# KiCad board k410t-devboard.kicad_pcb (continued)
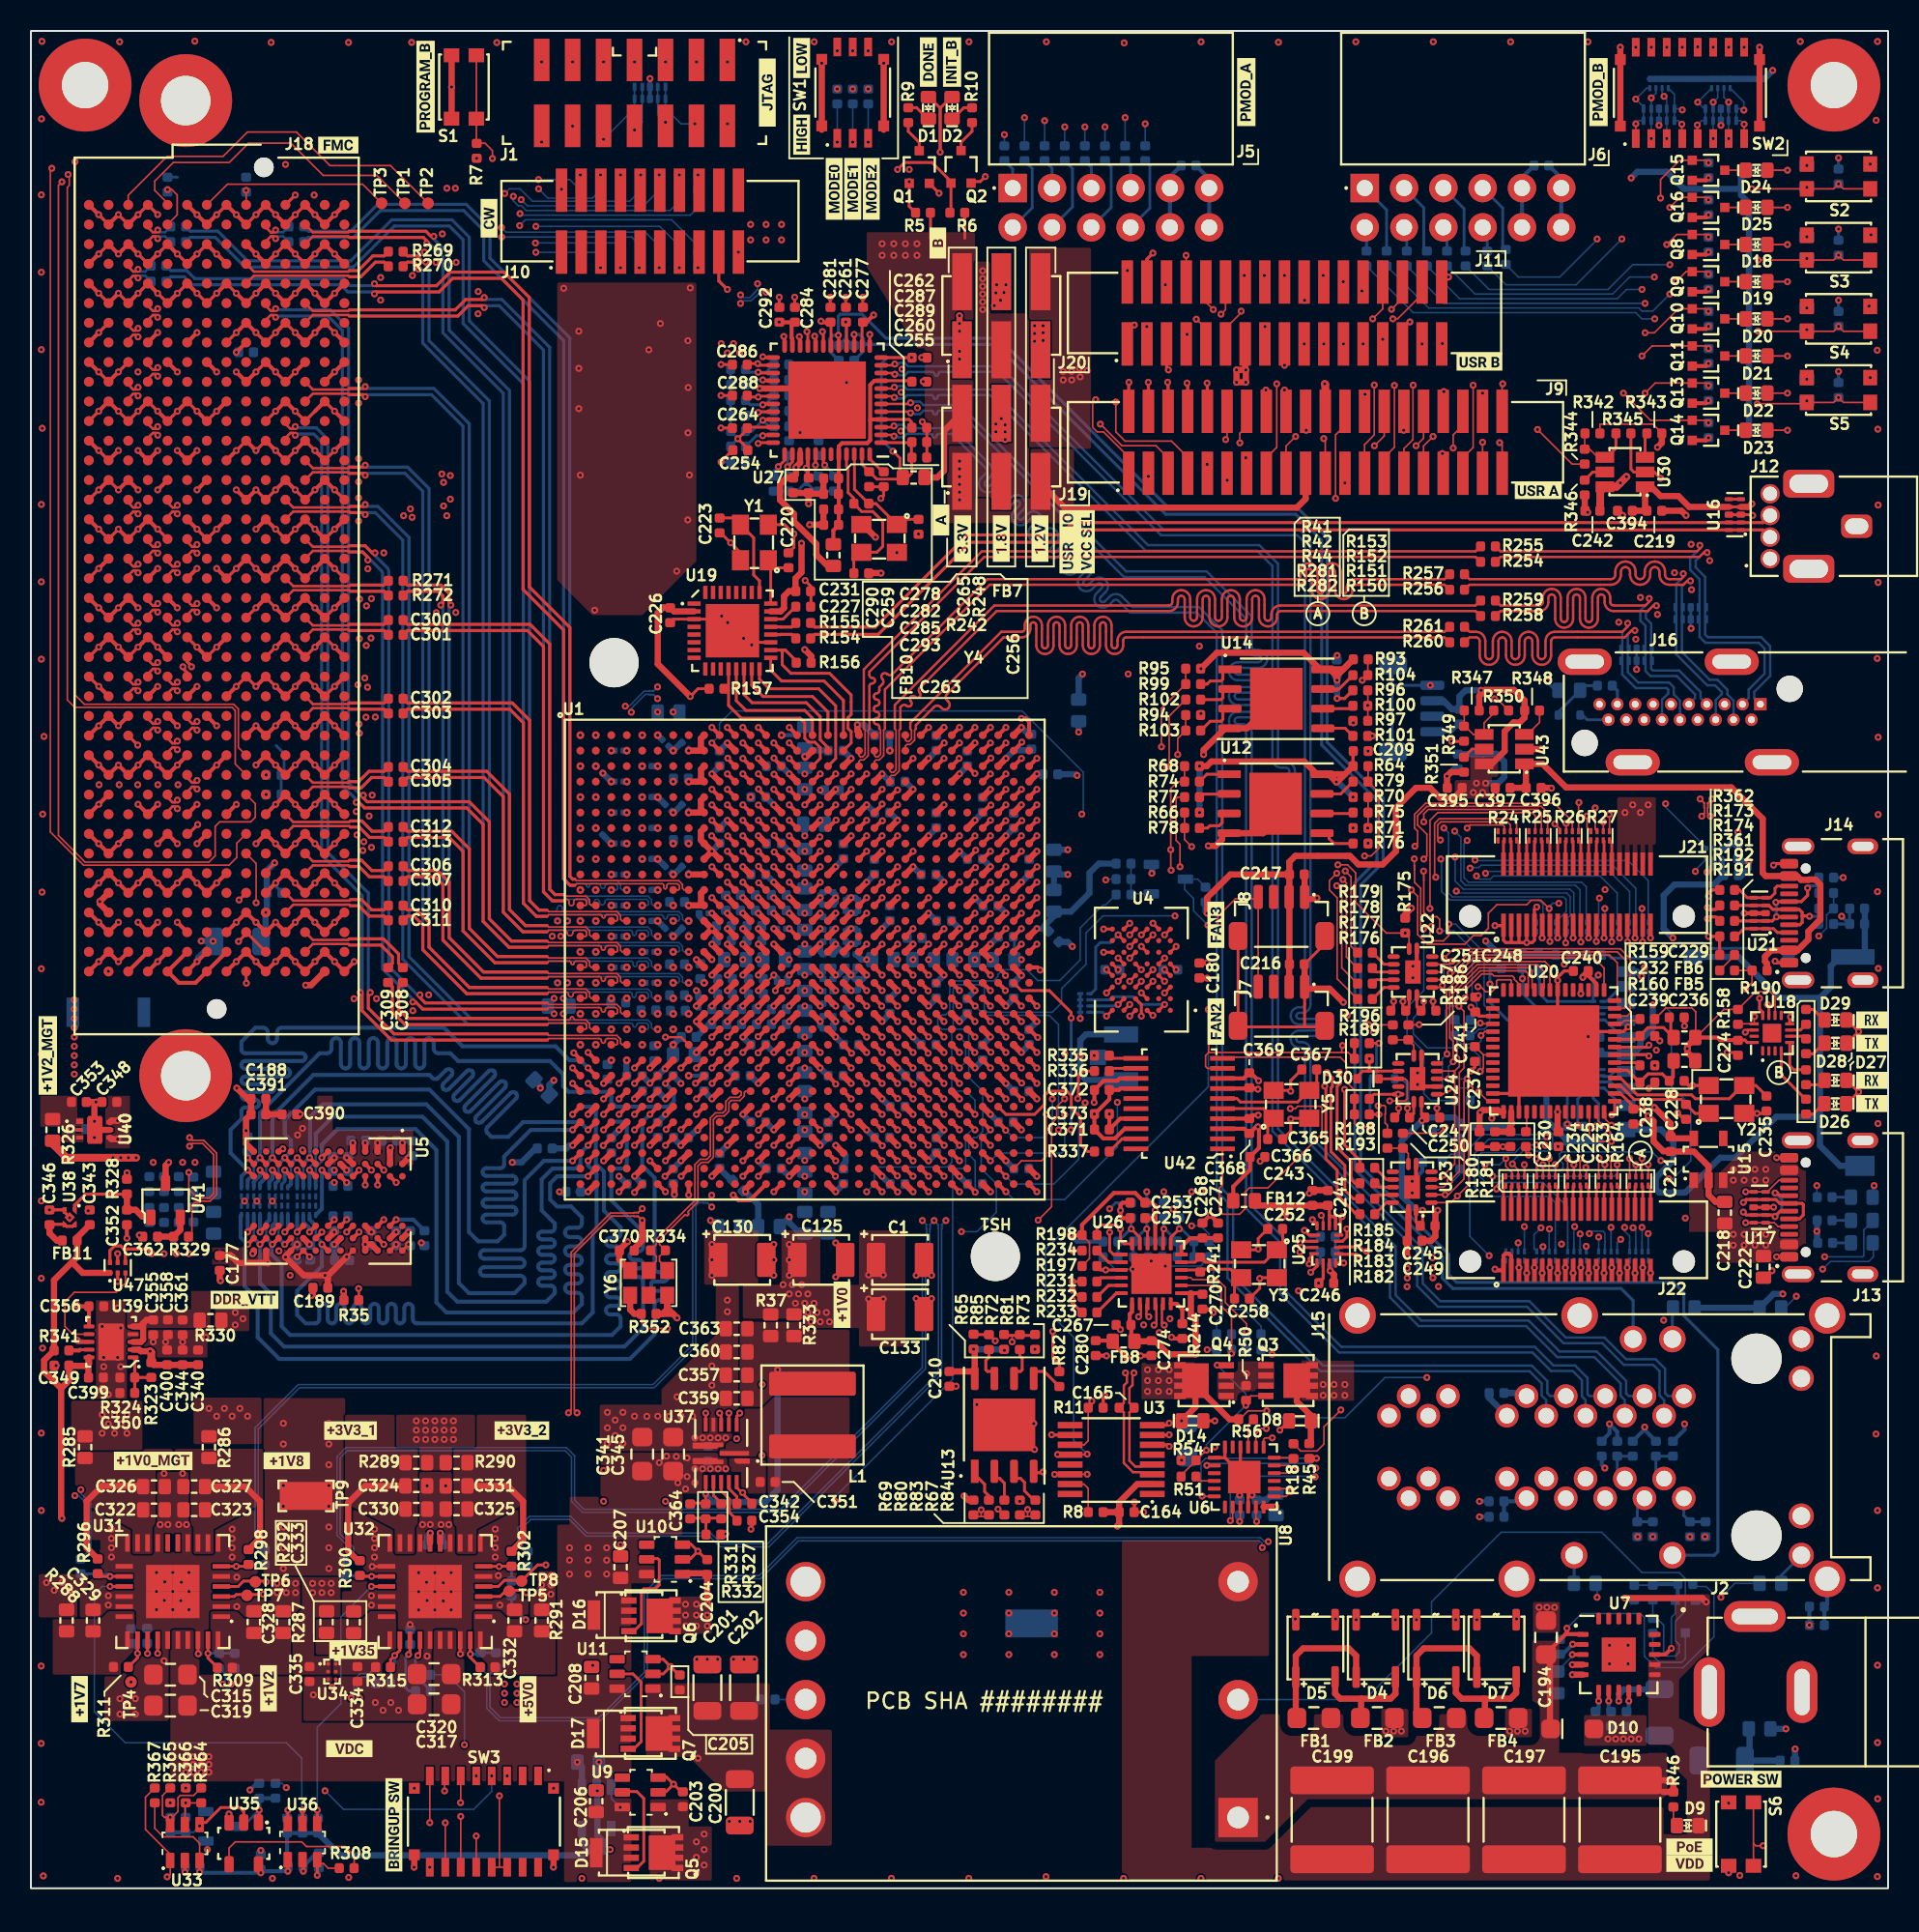
[diagram p0: board, top side]
## Routing (per net, layer and track width the routed paths; a pad name or vN(x,y) marks a point on that pad's centre or on a via; arc(x,y) is an arc through that point) (continued)
/HDMI + Ethernet/GBE3_P: length 108.7
  Top w0.153: 54.88,96.4 55.71,96.4 v1(55.79,96.32)
  Bottom w0.153: v1(55.79,96.32) 55.89,96.43 56.06,96.25 56.4,96.25 56.61,96.47 58.19,96.47 arc(58.28,96.43) 58.32,96.34 58.32,96.34 arc(58.36,96.25) 58.45,96.21 arc(58.54,96.25) 58.57,96.34 58.57,96.34 arc(58.61,96.43) 58.7,96.47 61.98,96.47 72.03,86.42 79.23,86.42 80.22,85.43 80.22,72.98 arc(80.39,72.57) 80.8,72.4 81.09,72.4 arc(81.25,72.34) 81.31,72.18 arc(81.25,72.03) 81.09,71.96 79.81,71.96 arc(79.4,71.79) 79.23,71.38 arc(79.4,70.97) 79.81,70.8 81.09,70.8 arc(81.25,70.74) 81.31,70.58 arc(81.25,70.43) 81.09,70.36 79.81,70.36 arc(79.4,70.19) 79.23,69.78 arc(79.4,69.37) 79.81,69.2 81.09,69.2 arc(81.25,69.14) 81.31,68.98 arc(81.25,68.83) 81.09,68.76 80.8,68.76 arc(80.39,68.59) 80.22,68.18 80.22,48.93 87.82,41.33 87.82,38.18 89.68,36.32 96.63,36.32 98.63,34.32 101.03,34.32 102.72,32.63 102.72,31.82 102.99,31.55 102.99,30.53
/HDMI + Ethernet/GBE4_N: length 108.8
  Top w0.153: 54.88,98.4 55.74,98.4 v1(55.81,98.48)
  Bottom w0.153: 106.8,31.8 105.79,31.8 105.6,31.99 105.6,33.56 104.97,34.18 103.07,34.18 101.67,35.58 99.17,35.58 96.82,37.93 91.07,37.93 89.93,39.07 89.93,41.32 82.68,48.57 82.68,54.12 arc(82.52,54.51) 82.13,54.67 81.95,54.67 arc(81.82,54.72) 81.77,54.85 81.77,54.87 arc(81.82,55) 81.95,55.06 82.5,55.06 82.5,55.06 83.05,55.06 arc(83.44,55.22) 83.6,55.61 83.6,55.63 arc(83.44,56.01) 83.05,56.18 81.95,56.18 arc(81.82,56.23) 81.77,56.36 81.77,56.38 arc(81.82,56.51) 81.95,56.56 82.13,56.56 arc(82.52,56.72) 82.68,57.11 82.68,87.07 81.97,87.78 73.17,87.78 62.62,98.33 56.68,98.33 56.46,98.55 56.12,98.55 55.93,98.36 v1(55.81,98.48)
/HDMI + Ethernet/GBE4_P: length 108.8
  Top w0.153: 54.88,97.9 55.74,97.9 v1(55.81,97.82)
  Bottom w0.153: 105.53,30.53 105.53,31.55 105.24,31.84 105.24,33.41 104.83,33.82 102.93,33.82 101.53,35.22 99.03,35.22 96.68,37.57 90.93,37.57 89.57,38.93 89.57,41.18 82.32,48.43 82.32,54.12 arc(82.26,54.25) 82.13,54.31 81.95,54.31 arc(81.56,54.47) 81.4,54.85 81.4,54.87 arc(81.56,55.26) 81.95,55.42 82.5,55.42 82.5,55.43 83.05,55.43 arc(83.18,55.48) 83.23,55.61 83.23,55.63 arc(83.18,55.76) 83.05,55.81 81.95,55.81 arc(81.56,55.97) 81.4,56.36 81.4,56.38 arc(81.56,56.76) 81.95,56.93 82.13,56.93 arc(82.26,56.98) 82.32,57.11 82.32,86.93 81.83,87.42 73.03,87.42 62.48,97.97 58.76,97.97 arc(58.67,97.93) 58.63,97.84 58.63,97.84 arc(58.6,97.75) 58.51,97.71 arc(58.42,97.75) 58.38,97.84 58.38,97.84 arc(58.34,97.93) 58.26,97.97 56.68,97.97 56.46,97.75 56.12,97.75 55.93,97.94 v1(55.81,97.82)
/HDMI + Ethernet/GBE_AVDDH: length 20.5
  Top w0.165: 54.66,91.04 56.04,91.04
  Top w0.177: v1(55.7,92.85) 56.15,92.4 56.15,91.15 56.04,91.04 ; 54.15,91.55 54.66,91.04
  Top w0.182: 54.15,91.55 53.7,92 U27.47 ; 56.15,91.15 56.64,91.15 56.91,91.42 56.91,92.45 56.89,92.47 56.89,93.45 56.84,93.4 54.88,93.4 ; 54.88,98.9 v1(56.9,98.9)
  Bottom w0.177: v1(55.7,92.85) 54.95,93.6 54.95,98.5 55.35,98.9 v1(56.9,98.9)
/HDMI + Ethernet/GBE_AVDDL/PLL: length 18.2
  Top w0.177: 56.89,94.38 56.89,94.75
  Top w0.182: 54.88,97.4 56.84,97.4 56.89,97.35 ; 56.89,94.75 56.74,94.9 54.88,94.9
  Top w0.256: 51.85,87.02 51.85,87.73 52.2,88.08 52.2,92.72 ; 54.23,94.86 54.27,94.9 U27.4 ; 54.23,94.86 54.23,97.13 54.5,97.4 U27.9 ; 54.23,94.86 54.23,93.56 54.04,93.37 52.41,93.37 52.2,93.16 U27.44
/HDMI + Ethernet/GBE_CONN_COMM: length 1.5
  Bottom w0.4: 95.2,32 96.44,32 96.64,31.8
/HDMI + Ethernet/GBE_ISET: length 1.6
  Top w0.182: U27.48 54.2,92.35 55.03,91.52 55.1,91.52 ; 55.09,91.53 55.06,91.53
/HDMI + Ethernet/GBE_LED_LINK+: length 1.8
  Bottom w0.182: 99.7,19.7 99.71,19.71 99.71,21.51
/HDMI + Ethernet/GBE_LED_LINK-: length 131.3
  Top w0.198: 52.2,99.58 52.2,100.31 v1(52.17,100.34)
  Bottom w0.198: 52.2,97.78 52.2,98.72 51.6,99.31 51.6,100.1 51.84,100.34 v1(52.17,100.34) 52.17,101.57 52.3,101.7 53.7,101.7 55.25,100.15 62.54,100.15 73.52,89.17 81.85,89.17 83.75,87.28 83.75,74.05 87.38,70.42 87.38,66.28 85.93,64.83 85.93,46.65 91.62,40.96 91.62,39.66 92.12,39.15 106.13,39.15 106.8,38.48 106.8,37 109,34.8 109,21.75 108.76,21.51 106.06,21.51
/HDMI + Ethernet/GBE_LED_SPD+: length 2
  Bottom w0.182: J15.18_2 106.06,37.46 R263.1
/HDMI + Ethernet/GBE_LED_SPD-: length 106.8
  Top w0.198: v1(53.19,100.39) 53.2,100.38 53.2,99.58
  Bottom w0.198: v1(53.19,100.39) 53.52,100.39 53.8,100.11 53.8,99.9 ; 53.2,97.78 53.2,98.72 53.8,99.31 53.8,99.6 ; 53.9,99.8 53.8,99.7 53.8,99.6 ; 53.9,99.8 53.8,99.9 ; 53.9,99.8 53.95,99.75 62.35,99.75 73.32,88.78 81.72,88.78 83.4,87.1 83.4,73.88 86.97,70.3 86.97,66.4 85.55,64.97 85.55,46.45 91.2,40.8 91.2,39.43 91.88,38.75 102.75,38.75 103.52,37.98 J15.17_2 ; 53.8,99.9 53.8,99.6
/HDMI + Ethernet/GBE_XI: length 7.5
  Top w0.182: 53.21,92.71 53.21,90.39 54.14,89.46 54.6,89.46 Y4.1 56.29,88.45 57.35,88.45
/HDMI + Ethernet/GBE_XO: length 10.5
  Top w0.177: 53.16,89.47 53.16,89.82 52.8,90.18 52.8,91.78 52.7,91.88 52.7,92.72 ; 53.64,86.33 53.17,85.85 53.17,85.67
  Top w0.182: 53.64,86.33 54.66,86.33 55.04,86.7 55.04,88.31 54.4,88.95 53.68,88.95 53.17,89.46 ; 53.17,85.67 53.17,84.96
/HDMI + Ethernet/HDMI_5V: length 3.5
  Bottom w0.182: 101.2,77.7 100.4,77.7 FB9.2 98.55,75.85 98.55,75.8
/HDMI + Ethernet/HDMI_CONN_5V: length 1.8
  Bottom w0.182: J16.18 100.55,75.5 100.25,75.8
/HDMI + Ethernet/HDMI_CONN_CLK_N: length 28.4
  Top w0.153: v1(103.17,81.73) 103.17,81.52 102.83,81.18 98.47,81.18 arc(98.04,81) 97.86,80.58 97.86,79.65 arc(97.79,79.48) 97.62,79.41 arc(97.45,79.48) 97.38,79.65 97.38,80.58 arc(97.2,81) 96.77,81.18 arc(96.34,81) 96.16,80.58 96.16,79.65 arc(96.09,79.48) 95.92,79.41 arc(95.75,79.48) 95.68,79.65 95.68,80.58 arc(95.5,81) 95.07,81.18 arc(94.64,81) 94.46,80.58 94.46,79.65 arc(94.39,79.48) 94.22,79.41 arc(94.05,79.48) 93.97,79.65 93.97,80.58 arc(93.8,81) 93.37,81.18 92.95,81.18 92.63,81.5
  Bottom w0.153: 105.4,75.5 105.4,76.8 105.79,77.19 105.79,77.45 105.7,77.54 103.7,77.54 102.83,78.42 102.83,81.17 103.17,81.52 v1(103.17,81.73)
/HDMI + Ethernet/HDMI_CONN_CLK_P: length 28.4
  Top w0.153: v1(103.64,81.27) 103.43,81.27 102.98,80.82 98.47,80.82 arc(98.3,80.75) 98.22,80.58 98.22,79.65 arc(98.05,79.22) 97.62,79.05 arc(97.19,79.22) 97.01,79.65 97.01,80.58 arc(96.94,80.75) 96.77,80.82 arc(96.6,80.75) 96.53,80.58 96.53,79.65 arc(96.35,79.22) 95.92,79.05 arc(95.49,79.22) 95.31,79.65 95.31,80.58 arc(95.24,80.75) 95.07,80.82 arc(94.9,80.75) 94.82,80.58 94.82,79.65 arc(94.65,79.22) 94.22,79.05 arc(93.79,79.22) 93.61,79.65 93.61,80.58 arc(93.54,80.75) 93.37,80.82 92.95,80.82 92.63,80.5
  Bottom w0.153: J16.10 106.55,76.26 106.55,76.26 106.55,76.74 106.16,77.13 106.16,77.6 105.85,77.91 103.85,77.91 103.19,78.57 103.19,81.03 103.43,81.27 v1(103.64,81.27)
/HDMI + Ethernet/HDMI_CONN_D0_N: length 28.8
  Top w0.153: 94.63,83.2 94.95,82.88 97.47,82.88 arc(97.62,82.94) 97.69,83.1 97.69,83.38 arc(97.86,83.79) 98.27,83.96 arc(98.68,83.79) 98.85,83.38 98.85,82.02 arc(98.91,81.87) 99.07,81.81 arc(99.22,81.87) 99.29,82.02 99.29,83.38 arc(99.46,83.79) 99.87,83.96 arc(100.28,83.79) 100.45,83.38 100.45,82.02 arc(100.51,81.87) 100.67,81.81 arc(100.82,81.87) 100.89,82.02 100.89,83.38 arc(101.06,83.79) 101.47,83.96 arc(101.88,83.79) 102.05,83.38 102.05,83.1 arc(102.11,82.94) 102.27,82.88 104.33,82.88 104.57,83.12 v1(104.57,83.33)
  Bottom w0.153: v1(104.57,83.33) 104.57,83.12 103.99,82.55 103.99,81.9 104.33,81.57 104.33,78.64 104.65,78.32 106.35,78.32 107.53,77.14 107.53,76.9 107.13,76.5
/HDMI + Ethernet/HDMI_CONN_D0_P: length 28.8
  Top w0.153: 94.63,82.2 94.95,82.52 97.47,82.52 arc(97.88,82.69) 98.05,83.1 98.05,83.38 arc(98.11,83.53) 98.27,83.59 arc(98.42,83.53) 98.49,83.38 98.49,82.02 arc(98.66,81.61) 99.07,81.44 arc(99.48,81.61) 99.65,82.02 99.65,83.38 arc(99.71,83.53) 99.87,83.59 arc(100.02,83.53) 100.09,83.38 100.09,82.02 arc(100.26,81.61) 100.67,81.44 arc(101.08,81.61) 101.25,82.02 101.25,83.38 arc(101.31,83.53) 101.47,83.59 arc(101.62,83.53) 101.69,83.38 101.69,83.1 arc(101.86,82.69) 102.27,82.52 104.47,82.52 104.82,82.87 v1(105.03,82.87)
  Bottom w0.153: v1(105.03,82.87) 104.82,82.87 104.36,82.4 104.36,82.05 104.69,81.71 104.69,78.79 104.8,78.68 106.5,78.68 107.89,77.29 107.89,76.9 J16.7
/HDMI + Ethernet/HDMI_CONN_D1_N: length 28.8
  Top w0.153: v1(106.77,84.93) 106.77,84.72 106.63,84.58 105.88,84.58 arc(105.67,84.67) 105.59,84.88 105.59,85.07 arc(105.39,85.53) 104.93,85.72 arc(104.47,85.53) 104.28,85.07 104.28,84.88 arc(104.19,84.67) 103.98,84.58 arc(103.77,84.67) 103.69,84.88 103.69,85.07 arc(103.49,85.53) 103.03,85.72 arc(102.57,85.53) 102.38,85.07 102.38,84.88 arc(102.29,84.67) 102.08,84.58 92.95,84.58 92.63,84.9
  Bottom w0.153: v1(106.77,84.93) 106.77,84.72 106.32,84.27 106.32,79.73 108.33,77.72 108.83,77.72 109.26,77.29 109.26,77.16 108.86,76.76 J16.6
/HDMI + Ethernet/HDMI_CONN_D1_P: length 28.8
  Top w0.153: 92.63,83.9 92.95,84.22 102.08,84.22 arc(102.54,84.41) 102.74,84.88 102.74,85.07 arc(102.82,85.27) 103.03,85.36 arc(103.24,85.27) 103.32,85.07 103.32,84.88 arc(103.52,84.41) 103.98,84.22 arc(104.44,84.41) 104.64,84.88 104.64,85.07 arc(104.72,85.27) 104.93,85.36 arc(105.14,85.27) 105.22,85.07 105.22,84.88 arc(105.42,84.41) 105.88,84.22 106.77,84.22 107.02,84.47 v1(107.23,84.47)
  Bottom w0.153: v1(107.23,84.47) 107.02,84.47 106.68,84.13 106.68,79.87 108.47,78.08 108.97,78.08 109.62,77.43 109.62,77.13 110.02,76.74 110.02,76.26 110.02,76.26 110.02,75.5
/HDMI + Ethernet/HDMI_CONN_D2_N: length 28.7
  Top w0.153: 94.63,86.7 94.95,86.38 107.66,86.38 107.84,86.56 v1(107.84,86.77)
  Bottom w0.153: 110.6,76.5 110.99,76.9 110.99,77.45 112.02,78.47 112.02,80.1 111.65,80.47 108.21,80.47 107.82,80.86 107.82,84.58 107.21,85.18 107.21,85.93 107.84,86.56 v1(107.84,86.77)
/HDMI + Ethernet/HDMI_CONN_D2_P: length 28.7
  Top w0.153: v1(108.31,86.3) 108.09,86.3 107.81,86.02 94.95,86.02 94.63,85.7
  Bottom w0.153: v1(108.31,86.3) 108.09,86.3 107.57,85.78 107.57,85.33 108.18,84.72 108.18,81.01 108.36,80.83 111.8,80.83 112.38,80.25 112.38,78.33 111.35,77.3 111.35,76.9 J16.1
/HDMI + Ethernet/POE_ETH.VC1: length 9.9
  In2.Cu w0.4: J15.14_1 87.75,23.75 89.53,21.97 v1(89.53,17.35)
/HDMI + Ethernet/POE_ETH.VC2: length 8.1
  In2.Cu w0.4: v1(92.07,17.35) 91.56,17.86 J15.11_1
/HDMI + Ethernet/POE_ETH.VC3: length 11.5
  Top w0.4: v1(96,17.4) 95.97,17.37 D7.3
  In4.Cu w0.4: J15.12_1 90.29,23.11 v1(96,17.4)
/HDMI + Ethernet/POE_ETH.VC4: length 9.7
  In4.Cu w0.4: v1(93.43,17.35) 93.43,17.92 89.02,22.33 89.02,25.2
/HDMI + Ethernet/POE_GBE.VC1: length 16.9
  In4.Cu w0.4: J15.14_2 85.53,30.53 83.75,28.75 83.75,19.23 v1(85.63,17.35)
/HDMI + Ethernet/POE_GBE.VC2: length 21.5
  In4.Cu w0.4: v1(88.17,17.35) 88.17,20.83 85.75,23.25 85.75,27.75 86.5,28.5 91.75,28.5 92.25,29 92.25,31.11 91.56,31.8
/HDMI + Ethernet/POE_GBE.VC3: length 17.8
  In2.Cu w0.4: v1(84.3,17.4) 84,17.7 84,27.5 85.25,28.75 88.51,28.75 J15.12_2
/HDMI + Ethernet/POE_GBE.VC4: length 19.3
  Top w0.4: v1(81.7,17.4) 81.73,17.37 D5.4
  In2.Cu w0.4: v1(81.7,17.4) 82.25,17.95 82.25,28.1 84.07,29.92 84.92,29.92 86.8,31.8 89.02,31.8
/I2C.QDCDC1_SCL: length 32
  Top w0.182: U31.4 13.39,19.5 13.74,19.85 15.15,19.85 v1(15.2,19.8)
  In3.Cu w0.1: v1(15.2,19.8) 14.6,19.2 14.6,9.7 18,6.3 v1(19,6.3)
  Bottom w0.1: v1(29.77,7.26) 29.77,6.26 28.61,5.1 20.2,5.1 v1(19,6.3)
/I2C.QDCDC2_SCL: length 21.3
  Top w0.182: U32.4 30.2,19.5 30.6,19.9 31.65,19.9 TP8.1 32.74,20.89 v1(33.27,20.89)
  In3.Cu w0.1: v1(33.27,20.89) 33.71,20.89 34.18,20.43 34.18,17.5 34.99,16.68 34.99,10.89 31.36,7.26 v1(30.77,7.26)
/I2C.SCL: length 141.4
  Top w0.1: 30.27,1.36 v1(30.27,5.97) ; 30.27,1.36 SW3.14 ; 30.27,1.36 SW3.13 ; 85.51,50 85.51,49.44 85.75,49.2 v1(86.5,49.2) ; v1(66.15,26.74) 66.16,26.75 68.25,26.75 v1(68.25,26.75) ; 96.5,46.53 v1(96.5,46.75) ; v1(80.21,29.1) 79.75,29.1 79.65,29 79.65,28.5 ; 77,53.62 77.07,53.7 84.6,53.7 85,53.3 85,52.1 85.51,51.59 85.51,51
  Top w0.177: 85.51,51 85.51,50 ; U37.3 45.6,30.5 v1(45.8,30.7)
  In3.Cu w0.1: v1(30.27,5.97) 30.27,7.59 30.57,7.89 31.36,7.89 34.6,11.13 34.6,16.55 32.47,18.68 32.47,21.35 34.12,23 36.75,23 39.97,26.22 39.97,27.72 41.78,29.53 45.18,29.53 45.8,30.15 v1(45.8,30.7) 57.32,30.7 61.67,26.35 65.76,26.35 v1(66.15,26.74) ; v1(96.5,46.75) 96.47,46.78 96.47,47.12 94.85,48.75 90.77,48.75 90.52,49 86.7,49 v1(86.5,49.2) ; v1(68.25,26.75) 78.6,26.75 80.21,28.36 v1(80.21,29.1)
  In5.Cu w0.1: v1(80.21,29.1) 79.59,29.1 79.39,29.3 79.39,37.12 81.39,39.12 81.39,42.85 83.11,44.57 83.11,45.52 85.75,48.16 93.98,48.16 94.33,48.51 95.38,48.51 96.18,47.71 96.18,47.07 v1(96.5,46.75)
/I2C.SDA: length 176.7
  Top w0.1: 77,52.97 76.03,52.97 75.9,53.1 75.9,53.8 76.1,54 ; v1(68.25,28.05) 68.22,28.02 67.15,28.02 67.13,28.03 v1(66.34,28.03) ; v1(79.82,29.7) 79.5,29.7 79.15,29.35 79.15,28.5 ; 76.1,54 84.7,54 ; 76.1,54 76.1,56.75 v1(76.07,56.78) ; v1(84.75,54.45) 84.7,54.4 84.7,54 ; 84.7,54 85.12,54 85.51,53.6
  Top w0.177: 85.51,53.6 85.51,54.6 ; v1(45.1,30.7) 45.1,29.95
  Top w0.182: v1(15,19) 14.98,18.98 13.26,18.98 13.14,18.85 12.3,18.85 ; v1(32,19.1) 31.85,19.25 30.71,19.25 30.31,18.85 29.25,18.85
  In3.Cu w0.1: v1(66.34,28.03) 65.66,28.03 64.61,26.98 61.74,26.98 57.53,31.19 45.45,31.19 45.1,30.84 v1(45.1,30.7) 45.1,30.25 44.78,29.93 41.6,29.93 39.55,27.88 39.55,26.45 36.47,23.38 34.03,23.38 32.01,21.36 32.01,19.11 v1(32,19.1) 32,18.7 34.2,16.5 34.2,11.37 32.62,9.79 18.52,9.79 15,13.31 v1(15,19) ; v1(68.25,28.05) 73.9,28.05 75.55,29.7 v1(79.82,29.7)
  In5.Cu w0.1: v1(104.1,63.3) 102.75,61.95 95.3,61.95 94.1,60.75 89.16,60.75 85.69,57.28 85.69,56.29 84.75,55.35 v1(84.75,54.45)
  Bottom w0.1: v1(76.07,56.78) 76.07,51.78 65.55,41.26 65.55,37.43 67.37,35.61 67.37,28.93 v1(68.25,28.05) ; 104.1,62.93 v1(104.1,63.3)
/PLL.CLK0: length 0
  Top w0.201: 68.72,53.8 v1(68.7,53.8)
/PLL.CLK1: length 10.5
  Top w0.184: 68.72,47.6 68.29,47.6 67.83,48.06 67.83,49.82 67.22,50.43 67.22,51.21 66.93,51.5 65.78,51.5 65.5,51.22 65.5,50.65 64.85,50 63,50 U1.AE28
/PLL.CLK2: length 9.8
  Top w0.184: 68.72,52.8 67.94,52.8 67.68,52.54 67.68,51.06 v1(67.64,51.02)
  Top w0.256: U1.AB27 v1(62,53)
  In7.Cu w0.1: v1(67.64,51.02) 66.07,52.59 62.41,52.59 v1(62,53)
/Power supply/AMPS_CTL: length 4
  Top w0.256: U7.8 v1(102.6,12.1)
  Bottom w0.4: v1(102.6,12.1) 102.6,12.53 102.92,12.85 104.91,12.85 105.23,13.17
/Power supply/CLSA: length 2.2
  Top w0.256: 100.28,15.1 v1(99.6,15.1)
  Bottom w0.1: R52.2 99.6,15 v1(99.6,15.1)
/Power supply/CLSB: length 1.4
  Top w0.256: U7.6 v1(101.3,12.1)
  Bottom w0.256: v1(101.3,12.1) 101.3,11.7 101.1,11.5
/Power supply/DC_IN: length 4
  Bottom w0.4: 111,10.3 111.05,10.25 111.05,8.25 113.01,8.25
  vias: v1(43,3) v1(43,2) v1(43,1) v1(43.5,3.5) v1(43.5,2.5) v1(43.5,1.5)
/Power supply/DEN: length 1.8
  Top w0.256: 100.28,15.75 99.64,15.75 v1(99.62,15.77)
  Bottom w0.256: v1(99.62,15.77) 98.97,15.12 98.8,15.12
/Power supply/MPS_DUTY: length 1.4
  Top w0.256: U7.9 v1(103.25,12.1)
  Bottom w0.256: 103.1,11.43 103.25,11.57 v1(103.25,12.1)
/Power supply/PD_CTRL.RESET: length 1.3
  Top w0.1: 80.33,27.82 81.56,27.82 81.6,27.78
/Power supply/PD_PWR_OK2: length 53.8
  Top w0.1: v1(77.5,23.75) 77.65,23.9 77.65,24.64
  In3.Cu w0.1: v1(82.98,26.58) 83.15,26.75 83.78,26.75 86.03,29 91.72,29 95.75,33.03 103.32,33.03 104.7,34.4 104.7,36.8 105.1,37.2 109.62,37.2 111.23,38.8 115.43,38.8 115.77,39.15 v1(115.77,40)
  Bottom w0.1: v1(77.5,23.75) 77.5,26.05 78.07,26.62 82.94,26.62 v1(82.98,26.58) ; v1(115.77,40) 116.27,40.5 118.75,40.5 119.05,40.8 119.05,41.7
/Power supply/PD_PWR_OK3: length 52.6
  Top w0.1: v1(75.98,27.32) 76.47,27.32
  In3.Cu w0.1: v1(115.9,40.8) 115.5,40.8 115.2,40.5 113.2,40.5 113,40.3 112.1,40.3 109.5,37.7 104.1,37.7 99.9,33.5 93.4,33.5 92.9,33 92.9,30.9 91.2,29.2 85.95,29.2 83.9,27.15 v1(83.03,27.15)
  Bottom w0.1: 119.05,43.15 118.44,42.53 118.44,40.88 118.36,40.8 v1(115.9,40.8) ; v1(75.98,27.32) 76.11,27.45 82.72,27.45 v1(83.03,27.15)
/Power supply/PD_VBUS: length 11.2
  Top w0.4: v1(80.45,24.65) 79.66,24.65 79.65,24.64
  In2.Cu w0.4: v1(80.45,24.65) 77.97,27.12 77.97,32.68 v1(78.55,33.25)
  Bottom w0.4: C191.1 v1(80.45,24.65)
/Power supply/PDBUS_DISCH: length 1.9
  Top w0.1: 79,30.3 78.65,29.95 78.65,28.5
/Power supply/PG: length 8.4
  Top w0.256: U7.13 105.6,15.1 v1(106,15.5)
  Bottom w0.1: 103.6,19.59 104.8,19.59 ; v1(106,15.5) 106,17.5 106.25,17.75 106.25,18.48
  Bottom w0.256: 106.25,18.48 106.42,18.64 106.42,19.65 104.87,19.65 104.8,19.59
/Power supply/POE_ACTIVE: length 45.9
  Bottom w0.1: U8.2 86.19,12.19 90.5,16.5 90.5,18.5 95,23 101.5,23 104.1,20.4 106.5,20.4 106.9,20 106.9,17.9 106.25,17.25 106.25,16 106.5,15.75 106.5,15.25 106.25,15 105.75,15 105.5,15.25 105.5,17 105.06,17.44 104.8,17.44 104.8,18.62
/Power supply/REF: length 1.4
  Top w0.256: 101.95,12.78 v1(101.95,12.1)
  Bottom w0.256: 102.1,11.49 101.95,11.63 v1(101.95,12.1)
/Power supply/SINK_EN: length 12
  Top w0.1: 77.24,33.79 77.22,33.8 v1(76.65,33.8) ; 79.8,31.81 78.81,31.81 78.5,31.5 v1(78.5,31.2) ; v1(75.95,28.3) 75.3,27.65 75.28,27.65 74.31,26.68 74.31,26.6
  Bottom w0.1: v1(75.95,28.3) 75.95,28.65 v1(78.5,31.2) 78.5,31.95 v1(76.65,33.8)
/Power supply/USB_DBG_PD.CC1: length 44.7
  Top w0.1: U6.2 81.21,25.82 v1(81.41,25.62) 81.1,25.32 80.33,25.32 ; v1(110.8,43) U17.10 112.65,43 112.9,42.75 J13.A5
  In3.Cu w0.1: v1(81.41,25.62) 82.15,26.37 82.15,28.08 84.4,30.33 85.49,30.33 89.87,34.71 95.36,34.71 99.1,38.45 108.25,38.45 109.2,39.4 109.2,42.55 109.65,43 v1(110.8,43)
/Power supply/USB_DBG_PD.CC2: length 45.9
  Top w0.1: v1(110.8,45) 112.2,45 112.95,45.75 113.61,45.75 ; U6.4 81.36,26.82 v1(81.56,27.02) 81.27,27.32 U6.5
  In3.Cu w0.1: v1(110.8,45) 109.55,45 108.95,44.4 108.95,39.45 108.2,38.7 99.07,38.7 95.28,34.91 89.78,34.91 85.41,30.53 84.24,30.53 81.88,28.16 81.88,27.33 v1(81.56,27.02)
/Power supply/USB_DBG_PD.VBUS: length 4.4
  Top w0.4: 82.7,28.75 82.7,30.55 81.79,31.46 81.79,32.77
  vias: v1(83.5,32.55) v1(83.5,31.85) v1(84.2,32.55) v1(84.2,31.85) v1(84.9,32.55) v1(84.9,31.85) v1(110,46.45) v1(110,45.75) v1(110,42.25) v1(110,41.55) v1(110.7,46.45) v1(110.7,45.75) v1(110.7,42.25) v1(110.7,41.55) v1(111.4,46.45) v1(111.4,45.75) v1(111.4,42.25) v1(111.4,41.55) v1(112.1,46.45) v1(112.1,45.75) v1(112.1,42.25) v1(112.1,41.55)
/Power supply/USB_PD_VBUS: length 94.7
  Top w0.1: v1(79.85,30.85) 78.65,30.85 78.1,30.3 78.03,30.3
  Top w0.4: v1(74.35,30.2) 75.24,31.09 75.24,32.8 75.24,32.51 77.45,30.3 78.03,30.3 ; v1(43.7,18.35) 43.7,20.31 43.66,20.35 42.35,20.35
  In2.Cu w2: v1(72.85,32.8) 71.4,31.35 71.4,27.8 66.62,23.03 49.43,23.03 46.8,20.4 46.8,19.35 45.1,17.65 v1(43,17.65)
  In3.Cu w0.1: v1(90.2,33) 91,33.8 99.6,33.8 103.7,37.9 109.34,37.9 115.4,43.96 v1(115.4,45.4)
  Bottom w0.1: v1(90.2,33) 87.5,33 84.9,30.4 80.3,30.4 v1(79.85,30.85) ; v1(115.4,45.4) 115.4,44.66 115.42,44.65
  vias: v1(42.3,18.35) v1(42.3,17.65) v1(42.3,16.95) v1(43,18.35) v1(43,16.95) v1(43.7,17.65) v1(43.7,16.95) v1(72.15,33.5) v1(72.15,32.8) v1(72.15,32.1) v1(72.85,33.5) v1(72.85,32.1) v1(73.55,33.5) v1(73.55,32.8) v1(73.55,32.1)
/Power supply/VREG_1V2: length 1.4
  Top w0.1: v1(78.1,23.7) 78.15,23.75 78.15,24.64
  Bottom w0.1: 78.1,24.12 v1(78.1,23.7)
/Power supply/VREG_2V7: length 1.4
  Top w0.1: 79.15,24.64 79.15,23.75 v1(79.2,23.7)
  Bottom w0.1: v1(79.2,23.7) 79.2,24.12
/SPI Flash + SD Card/SD_CARD_~{CD}: length 12.9
  Bottom w0.184: 113.57,60.18 113.02,60.72 108.35,60.72 108.02,61.05 106.4,61.05 105.45,60.1 102.12,60.1 101.93,60.3 101.49,60.3
/SPI Flash + SD Card/SYSTEM_FLASH_CLK: length 1.6
  Top w0.184: 83.88,69.44 85.37,69.44 85.43,69.5
/SPI Flash + SD Card/SYSTEM_FLASH_DQ0: length 2
  Top w0.184: 83.88,68.17 83.88,67.82 84.2,67.5 85.43,67.5
/SPI Flash + SD Card/SYSTEM_FLASH_DQ1: length 1.5
  Top w0.184: 76.97,70.69 75.7,70.69 75.51,70.5
/SPI Flash + SD Card/SYSTEM_FLASH_DQ2: length 2.2
  Top w0.184: 76.97,69.44 76.97,68.85 76.78,68.65 76.18,68.65 76.03,68.5 75.51,68.5
/SPI Flash + SD Card/SYSTEM_FLASH_DQ3: length 2.4
  Top w0.1: 83.72,70.71 84.22,70.71
  Top w0.184: 85.43,71.5 84.64,70.71 83.88,70.71
/SPI Flash + SD Card/SYSTEM_FLASH_~{CS}: length 1.7
  Top w0.184: 76.97,71.98 75.99,71.98 75.51,71.5
/SPI Flash + SD Card/USR_FLASH_0_CLK: length 1.9
  Top w0.184: 63.9,34.81 63.9,34.4 64.05,34.25 64.05,33.5 63.94,33.39 63.53,33.39
/SPI Flash + SD Card/USR_FLASH_0_DQ0: length 2.1
  Top w0.184: 64.79,33.39 65.47,33.39 66.45,32.41
/SPI Flash + SD Card/USR_FLASH_0_DQ1: length 1.8
  Top w0.184: 62.27,26.49 62.59,26.49 62.9,26.18 62.9,25.09
/SPI Flash + SD Card/USR_FLASH_0_DQ2: length 2.3
  Top w0.184: 63.53,26.49 63.94,26.49 64.2,26.22 64.2,25.68 64.79,25.09 64.9,25.09
/SPI Flash + SD Card/USR_FLASH_0_DQ3: length 2
  Top w0.184: 61.9,34.81 61.9,34.3 61.7,34.1 61.7,33.5 61.81,33.39 62.25,33.39
/SPI Flash + SD Card/USR_FLASH_0_~{CS}: length 1.9
  Top w0.184: 61.9,25.09 61.9,25.35 61.62,25.62 61.62,26.1 61.24,26.49 60.99,26.49
/SPI Flash + SD Card/USR_FLASH_1_CLK: length 1.6
  Top w0.184: 83.93,76.22 85.23,76.22 85.41,76.4
/SPI Flash + SD Card/USR_FLASH_1_DQ0: length 1.7
  Top w0.184: 83.93,74.95 84.92,74.95 85.41,74.45
/SPI Flash + SD Card/USR_FLASH_1_DQ1: length 2
  Top w0.184: 77.02,77.47 77.02,76.92 76.9,76.8 75.59,76.8
/SPI Flash + SD Card/USR_FLASH_1_DQ2: length 2.4
  Top w0.184: 75.59,74.8 75.6,74.8 76.2,75.4 76.9,75.4 77.02,75.52 77.02,76.22
/SPI Flash + SD Card/USR_FLASH_1_DQ3: length 2.8
  Top w0.1: 83.5,77.37 84.45,77.37
  Top w0.184: 85.41,78.38 84.53,77.48 83.93,77.48
/SPI Flash + SD Card/USR_FLASH_1_~{CS}: length 2.2
  Top w0.184: 77.02,78.75 77.02,78.12 76.9,78 76.2,78 76,77.8 75.59,77.8
/SUP_MCU.A0: length 50.8
  Top w0.256: U1.AD24 v1(59,51)
  In5.Cu w0.1: v1(59,51) 59.42,50.58 67.15,50.58 68.32,49.4 72.38,49.4 88.88,65.9 89.6,65.9 89.82,66.12 90.28,66.12 90.65,66.5 v1(91.1,66.5)
  Bottom w0.1: v1(91.1,66.5) 91.15,66.45 91.15,64.4 91.7,63.85 97.45,63.85 97.7,63.6 97.7,62.4
/SUP_MCU.A1: length 53.3
  Top w0.256: U1.AJ22 v1(57,46)
  In5.Cu w0.1: v1(92.1,64.42) 91.88,64.2 91.45,64.2 90.8,63.55 90.8,63.1 90.45,62.75 88.56,62.75 72.61,46.8 66.97,46.8 65.79,45.62 57.38,45.62 v1(57,46)
  Bottom w0.1: 99.3,62.4 99.3,62.68 99.46,62.84 99.46,64.07 99.23,64.3 92.22,64.3 v1(92.1,64.42)
/SUP_MCU.A2: length 57.4
  Top w0.256: U1.AH21 v1(56,47)
  In5.Cu w0.1: v1(93.41,65.41) 91.81,65.41 90.5,64.1 88.78,64.1 72.28,47.6 56.6,47.6 v1(56,47)
  Bottom w0.1: 102.5,62.4 102.5,64.3 101.4,65.4 94.5,65.4 94.3,65.2 93.61,65.2 v1(93.41,65.41)
/SUP_MCU.A3: length 60.6
  Top w0.256: U1.AJ23 v1(58,46)
  In5.Cu w0.1: v1(58,46) 58.6,46.6 66.2,46.6 66.8,47.2 72.44,47.2 88.94,63.7 90.67,63.7 91.77,64.8 93.9,64.8 94.4,65.3 94.4,65.8 94.2,66 93.08,66 v1(92.99,65.91)
  Bottom w0.1: 103.7,62.4 103.7,64.6 102.2,66.1 93.7,66.1 93.55,65.95 93.22,65.95 93.17,65.9
/SUP_MCU.A4: length 58
  Top w0.256: U1.AF23 v1(58,49)
  In5.Cu w0.1: v1(93.31,66.44) 92.44,66.44 90.9,64.9 89.01,64.9 72.71,48.6 58.4,48.6 v1(58,49)
  Bottom w0.1: v1(93.31,66.44) 93.35,66.4 103.2,66.4 104.5,65.1 104.5,62.4
/SUP_MCU.A5: length 55.5
  Top w0.256: U1.AH24 v1(59,47)
  In5.Cu w0.1: v1(59,47) 59.4,47.4 72.36,47.4 88.86,63.9 90.58,63.9 91.68,65 93.7,65 93.99,65.29 v1(93.99,65.57)
  Bottom w0.1: v1(93.99,65.57) 94.12,65.7 102,65.7 103.3,64.4 103.3,62.4
/SUP_MCU.A6: length 48.3
  Top w0.1: v1(90.77,65.33) 90.7,65.4 90.7,68.8 91,69.1 95.8,69.1 96,68.9 96,68.3
  Top w0.256: U1.AF25 v1(60,49)
  In5.Cu w0.1: v1(60,49) 60.38,49.38 67.5,49.38 68.07,48.8 72.63,48.8 88.93,65.1 90.55,65.1 v1(90.77,65.33)
/SUP_MCU.A7: length 52
  Top w0.256: U1.AE25 v1(60,50)
  In5.Cu w0.1: v1(92.03,66.62) 92.03,66.47 91.38,65.83 90.62,65.83 90.13,65.33 88.87,65.33 72.54,49 68.16,49 67.58,49.57 60.43,49.57 v1(60,50)
  Bottom w0.1: 99.7,62.4 99.7,64.3 99.45,64.55 92.55,64.55 92.03,65.08 v1(92.03,66.62)
/SUP_MCU.A8: length 52.2
  Top w0.256: U1.AC24 v1(59,52)
  In3.Cu w0.1: v1(59,52) 59.6,51.4 60.13,51.4 60.38,51.16 60.38,48.72 60.7,48.4 64.88,48.4 66.08,47.2 76.55,47.2 76.72,47.38 89.88,47.38 90.11,47.15 93,47.15 93.18,46.98 93.18,46.43 94.05,45.55 95.15,45.55 95.8,44.9 101.8,44.9 102.1,44.6 v1(102.1,42.7)
  Bottom w0.1: v1(102.1,42.7) 102.1,41.15
/SUP_MCU.A9: length 51.8
  Top w0.1: 104.1,46 v1(104.1,47.15)
  Top w0.256: U1.AC25 v1(60,52)
  In3.Cu w0.1: v1(104.1,47.15) 104.1,45.7 103.5,45.1 95.9,45.1 94.62,46.38 93.79,46.38 93.57,46.59 93.57,47.14 93.17,47.55 90.27,47.55 90.05,47.78 76.55,47.78 76.38,47.6 66.25,47.6 64.45,49.4 61.72,49.4 61.43,49.69 61.43,50.18 60.9,50.7 60.9,51.7 60.6,52 v1(60,52)
/SUP_MCU.A10: length 53.4
  Top w0.1: v1(100.03,70.15) 100,70.12 100,68.3
  Top w0.256: U1.AC22 57.01,51.99 v1(57.01,51.94)
  In5.Cu w0.1: v1(57.01,51.94) 57.47,52.4 74.53,52.4 89.03,66.9 89.55,66.9 89.78,67.12 91.4,67.12 91.78,67.5 92.43,67.5 92.62,67.3 92.97,67.3 95.85,70.17 100,70.17 v1(100.03,70.15)
